# Altium PCB IOT_nRF24L01_RELAY_TEST.PcbDoc
Units mil, origin at the board's own origin, x right, y up, seen from the top; angles counter-clockwise.
Board outline 3110.24 x 1870.08 mil, 2 copper layers (Top Layer, Bottom Layer); 25 components, 28 nets, 94 pads, 6 vias.
Unrouted connection lines stored in the file: 1.
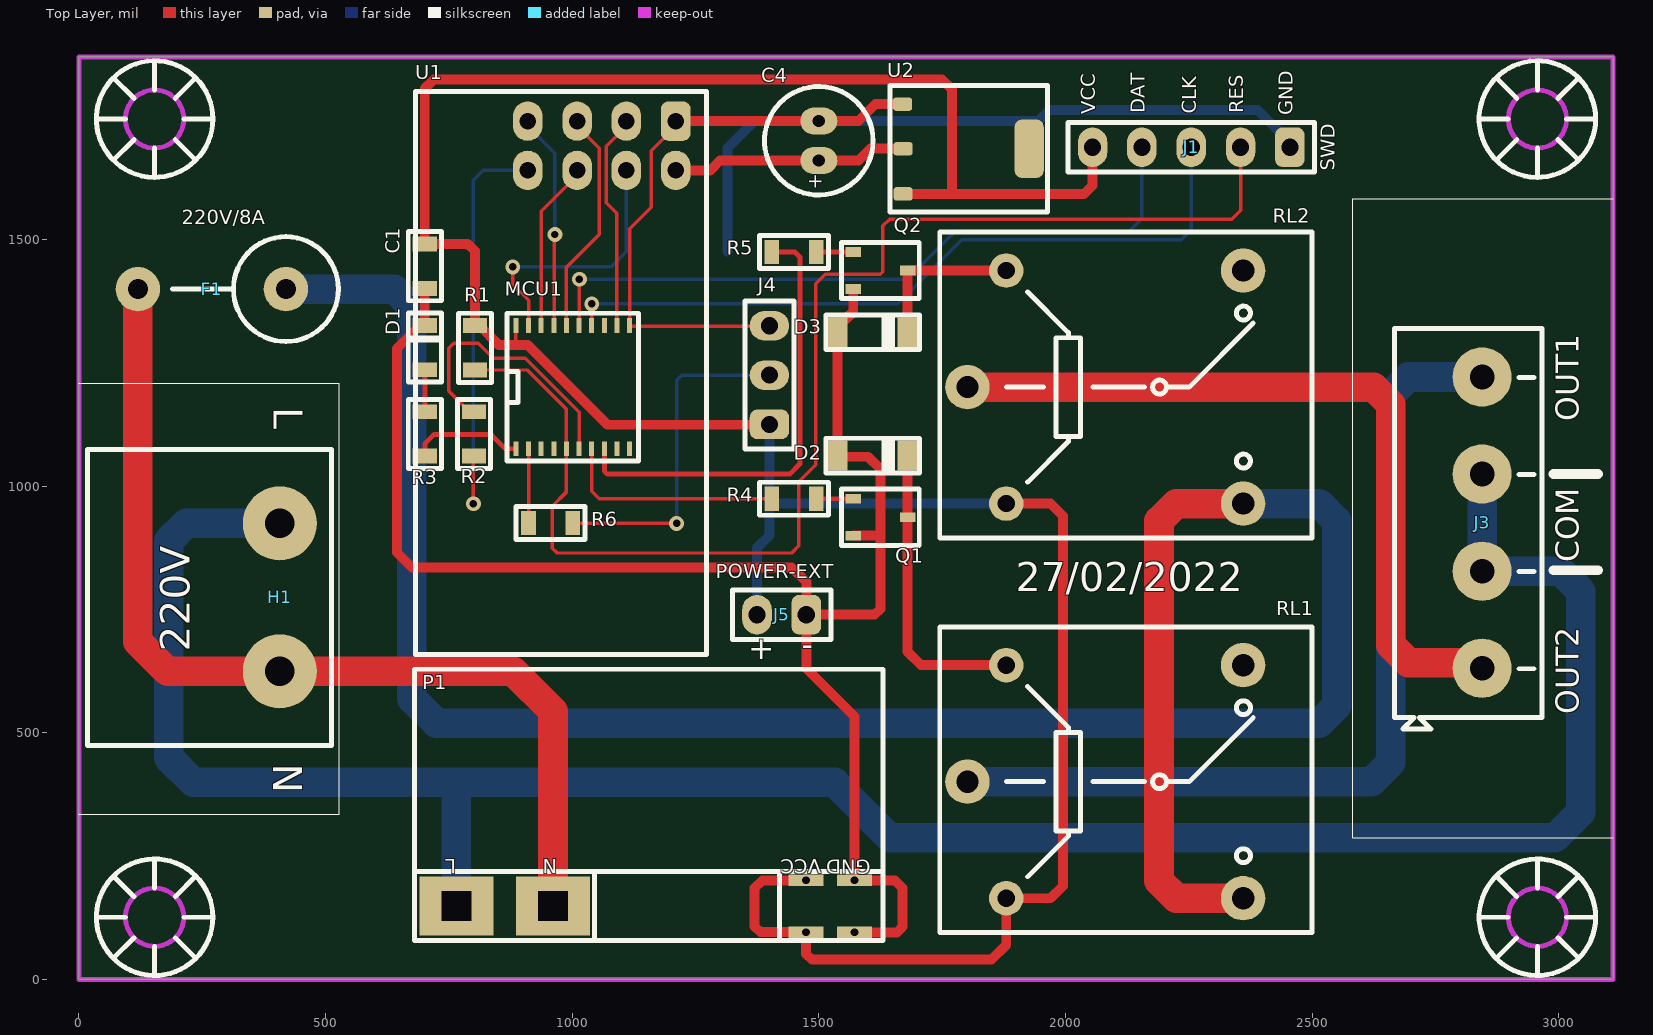
[diagram p0: Top Layer view]
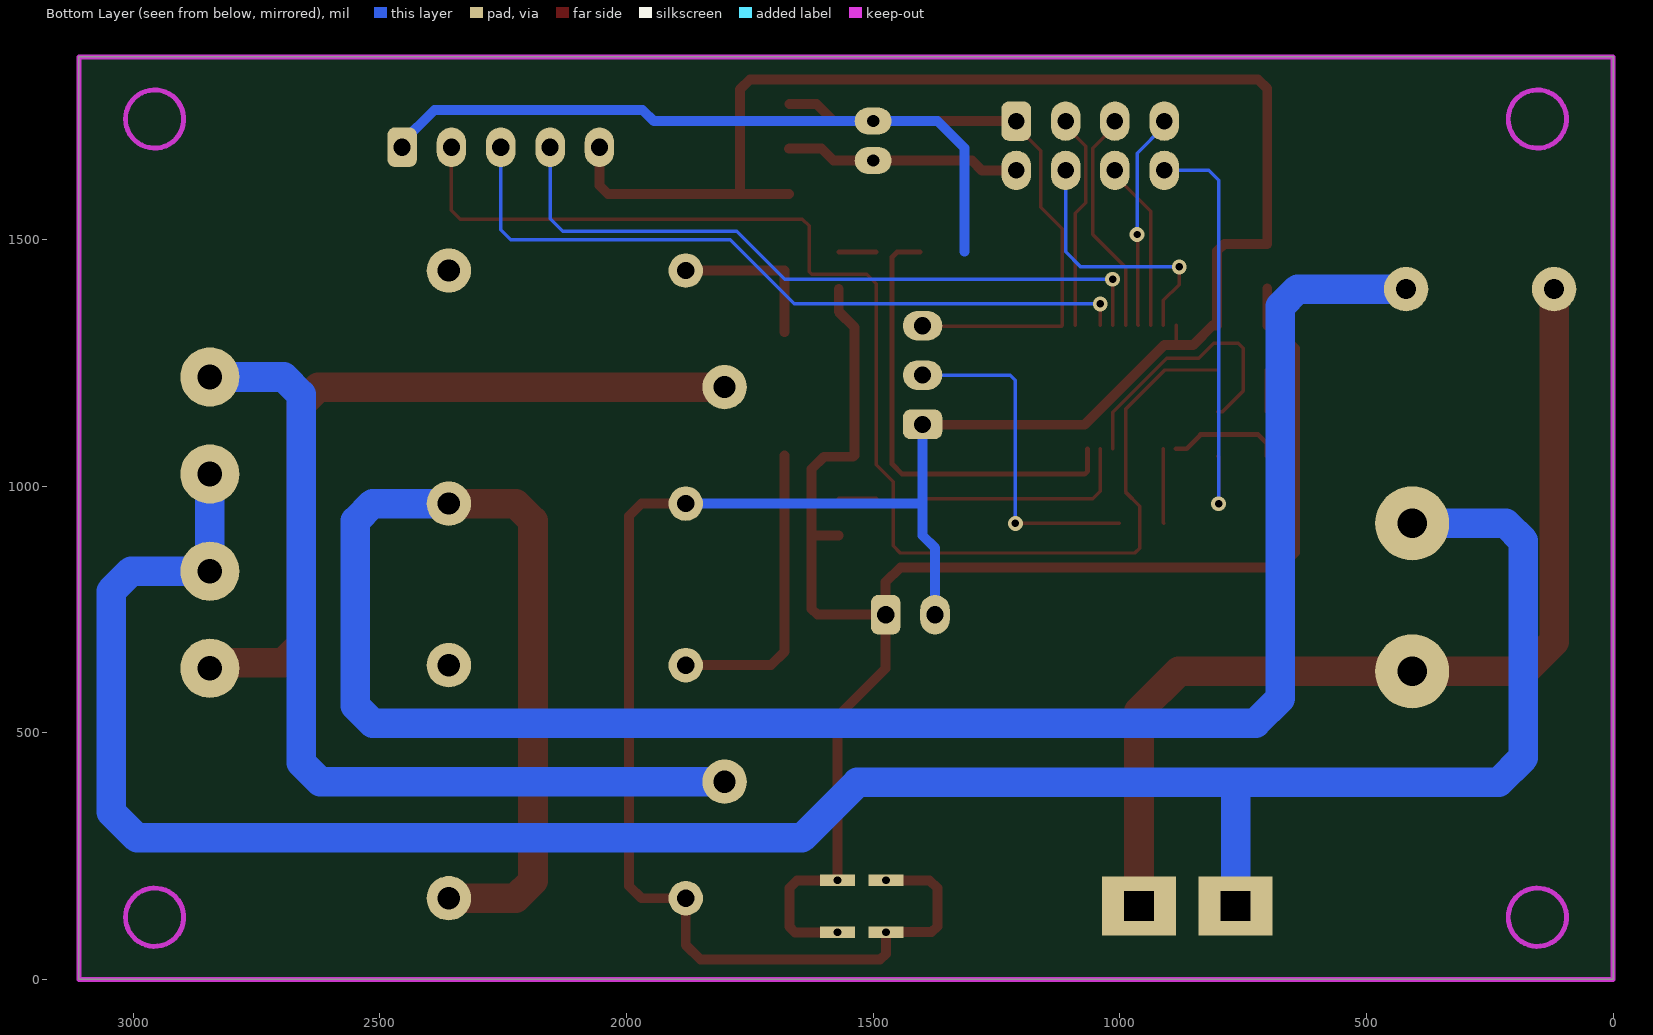
[diagram p1: Bottom Layer view, seen from below]

## Layer stack, top to bottom
Top Solder: solder mask 0.4, Solder Resist, Dk 3.5
Top Layer: signal copper 1.4
Dielectric 1: dielectric 12.6, FR-4, Dk 4.8
Bottom Layer: signal copper 1.4
Bottom Solder: solder mask 0.4, Solder Resist, Dk 3.5

## Board outline
0.03,0 3110.26,0 3110.26,1870.08 0.03,1870.08

## Design rules (kind name [scope] priority, off if disabled: settings)
Clearance [All] p1: gap=7 ignorepadtopadclearanceinfootprint=FALSE
PolygonConnect [All] p1: connectstyle=Relief reliefconductorwidth=10 reliefentries=4 polygonreliefangle="90 Angle" airgapwidth=10
RoutingVias [All] p1: holewidth=30 width=60 viastyle="Through Hole" minholewidth=15 minwidth=30 maxholewidth=50 maxwidth=100
SolderMaskExpansion [All] p1: expansion=4 istentingtop=FALSE
Width [All] p1: maxlimit=60 minlimit=7 preferedwidth=10
30 further rules are at their usual default settings.

## Components (designator, comment, footprint, x,y, rotation, side; value= is the part's Value field where it differs from the comment)
C1 "104" C0805 701.25,1445.72 r90 top
C4 "10uF" CAP_RAD_D05x11 1500,1700 r90 top
D1 "LED0805" L0805RED 701.25,1280.72 r90 top
D2 "1N4148" SOD-80 1609.13,1061.94 r0 top
D3 "1N4148" SOD-80 1609.13,1311.94 r0 top
F1 "220V/8A" FUSE_Bel_MJS_V 419.76,1399.34 r180 top
H1 "220V" "TERMINAL-BLOCK-7.62MM -02PIN" 407.26,924.34 r270 top
J1 "SWD" HEADER-MALE-05PINS-2.54MM 2454.99,1686.94 r180 top
J3 "OUTPUT" DG306-5.0-04P-12-00AH 2844.76,925.91 r90 top
J4 "HEADER-MALE-2.54MM" HEADER-MALE-03PINS-2.54MM 1400,1125 r90 top
J5 "POWER-EXT" HEADER-MALE-02PINS-2.54MM 1424.76,739.34 r180 top
MCU1 "Mini58FDE" TSSOP20_0.65_4.4 1001.25,1200.72 r90 top
P1 "MODULE_5V_700mA" MODULE_5V_700mA 765.25,148.72 r180 top
Q1 "2N3904" SOT23-3 1624.88,936.94 r270 top
Q2 "2N3904" SOT23-3 1624.88,1436.94 r270 top
R1 "10k" R0805 802.76,1280.33 r90 top
R2 "10k" R0805 801.25,1105.72 r90 top
R3 "10k" R0805 701.25,1105.72 r270 top
R4 "10k" R0805 1449.76,974.34 r0 top
R5 "10k" R0805 1449.76,1474.34 r0 top
R6 "10k" R0805 956.32,925.01 r180 top
RL1 "Relay-SONGLE-SRD-05VDC" RELAY-SONGLE-SRD-05VDC_BLUE 2080.61,400.72 r180 top
RL2 "Relay-SONGLE-SRD-05VDC" RELAY-SONGLE-SRD-05VDC_BLUE 2080.61,1200.72 r180 top
U1 "nRF24L01" nRF24L01 1060,1690 r90 top
U2 "3V3" SOT223-3 1806.57,1683.79 r270 top

## Footprints (in the part's own frame and the unit in brackets; to place one, negate y for a bottom-side part, rotate by r counter-clockwise, add the part's x,y. Pads: shape width x height; smd on the part's side, far side on the other; paste and mask are expansions set on the pad)
C0805 [mil]
  rect 30x48.82 smd: 1(-45,0) 2(45,0)
  silkscreen extent -70,-33 70,33, body extent -39,-24 39,24, height 39
CAP_RAD_D05x11 [mil]
  oval 55x75 hole 25: 1(-40,0) 2(40,0)
  silkscreen extent -110,-110 110,110, body extent -108,-108 108,108, height 492
DG306-5.0-04P-12-00AH [mil]
  round 120 hole 50: 1(-295.28,0) 2(-98.43,0) 3(98.43,0) 4(295.28,0)
  silkscreen extent -418,-121 394,178, body extent -417,-123 394,176, height 394
FUSE_Bel_MJS_V [mil]
  round 90 hole 40: 1(0,0) 2(300,0)
  silkscreen extent -106,-106 230,106, body extent -110,-110 316,110, height 795
HEADER-MALE-02PINS-2.54MM [mil]
  rrect50% 60x80 hole 35: 1(-50,0)
  oval 60x80 hole 35: 2(50,0)
  silkscreen extent -100,-50 100,50, body extent -100,-50 100,50, height 350
HEADER-MALE-03PINS-2.54MM [mil]
  rrect50% 60x80 hole 35: 1(0,0)
  oval 60x80 hole 35: 2(100,0) 3(200,0)
  silkscreen extent -50,-50 250,50, body extent -50,-50 250,50, height 350
HEADER-MALE-05PINS-2.54MM [mil]
  rrect50% 60x80 hole 35: 1(0,0)
  oval 60x80 hole 35: 2(100,0) 3(200,0) 4(300,0) 5(400,0)
  silkscreen extent -50,-50 450,50, body extent -50,-50 450,50, height 350
L0805RED [mil]
  rect 30x48.82 smd: 1(-45,0) 2(45,0)
  silkscreen extent -70,-35 70,35, body extent -39,-25 39,25, height 43
MODULE_5V_700mA [mil]
  rect 150x120 hole 60 square: 1(0,0) 2(-196,0)
  rect 70.87x23.62 hole 15.75: 3(-709,-52) 3(-709,53) 4(-807,-52) 4(-807,53)
  silkscreen extent -865,-480 85,70
nRF24L01 [mil]
  rrect50% 80x60 hole 33.46: 1(50,-150)
  oval 80x60 hole 33.46: 2(-50,-150) 3(50,-50) 4(-50,-50) 5(50,50) 6(-50,50) 7(50,150) 8(-50,150)
  silkscreen extent -1031,-213 110,378, body extent -1031,-213 110,378, height 434
R0805 [mil]
  rect 30x48.82 smd: 1(-45,0) 2(45,0)
  silkscreen extent -70,-33 70,33, body extent -39,-25 40,25, height 18
RELAY-SONGLE-SRD-05VDC_BLUE [mil]
  round 70 hole 35: 1(200.61,-236.22) 3(200.61,236.22)
  round 90 hole 45: 2(279.35,0) 4(-279.7,236.22) 5(-279.7,-236.22)
  silkscreen extent -419,-314 335,306, body extent -418,-309 338,305, height 626
SOD-80 [mil]
  rect 40x60 smd: 1(-70.87,0) 2(70.87,0)
  silkscreen extent -95,-35 95,37, body extent -69,-30 69,29, height 58
SOT23-3 [mm]
  rect 0.5x0.8 smd: 1(-0.95,-1.4) 2(0.95,-1.4) 3(0,1.4)
  silkscreen extent -1.45,-2 1.45,2, body extent -1.45,-1.4 1.45,1.4, height 1.3
SOT223-3 [mm]
  rrect50% 0.7x1 smd: 1(-2.3,-3.475) 2(0,-3.45) 3(2.325,-3.45)
  rrect50% 3x1.5 smd: 4(0,3.048)
  silkscreen extent -3.25,-4.11 3.25,3.99, body extent -3.25,-3.5 3.25,3.5, height 1.7
"TERMINAL-BLOCK-7.62MM -02PIN" [mil]
  round 150 hole 60: 1(0,0) 2(300,0)
  silkscreen extent -150,-390 450,105, body extent -150,-386 450,106, height 409
TSSOP20_0.65_4.4 [mil]
  rect 30x10 smd: 1(-125,115.16) 2(-125,89.57) 3(-125,63.98) 4(-125,38.39) 5(-125,12.8) 6(-125,-12.8) 7(-125,-38.39) 8(-125,-63.98) 9(-125,-89.57) 10(-125,-115.16) 11(125,-115.16) 12(125,-89.57) 13(125,-63.98) 14(125,-38.39) 15(125,-12.8) 16(125,12.8) 17(125,38.39) 18(125,63.98) 19(125,89.57) 20(125,115.16)
  silkscreen extent -150,-133 150,133, body extent -124,-128 124,128, height 43

## Part data
C1: library part Capacitors(SMD)
C4: library part Capacitor(Radian)
D2 D3: library part Diode-1N4148, "The fast switching diode"
F1: library part Fuse-Vertical
H1: library part TERMINAL-BLOCK-7.62MM-02PIN
J1: library part HEADER-MALE-05PINS-2.54MM
J3: library part DG306-5.0-04P-12-00AH
J4: library part HEADER-MALE-03PINS-2.54MM
J5: library part HEADER-MALE-02PINS-2.54MM
MCU1: library part Mcu-Mini58FDE, "Novoton 4Kb-RAM 32Kb-Flash"
P1: library part SMPS_5V_700mA
Q1 Q2: library part "Transistor-2N3904 (SOT-23)"
R1 R2 R3 R4 R5 R6: library part Resistors-SMD
U1: library part Module-nRF24L01
U2: library part Ic-AMS1117(SOT-223)

## Via types
v1: diameter 30, hole 15, Top Layer to Bottom Layer, tented both sides, 6 vias

## Nets (pads, with @x,y where several pads share a name; then routed paths per layer and width w, separated by ;. In a path a pad name is that pad's centre, name@x,y a point inside that pad or via, vN(x,y) a via of type N, cw(c..) or ccw(c..) an arc to the next point about the centre after c; other vN are vias at no path point)
CE: MCU1.12 U1.3 | length 440.3
  Top Layer w7: MCU1.12 1090.82,1552.88 1069,1574.7 1069,1689 1110,1730 U1.3
CLK: J1.3 MCU1.14 | length 1488.5
  Top Layer w7: MCU1.14 1039.64,1369.22 v1(1039.76,1369.34)
  Bottom Layer w7: v1(1039.76,1369.34) 1660,1369.34 1790,1499.34 2234.76,1499.34 2254.99,1519.57 J1.3
CSN: MCU1.19 U1.4 | length 539.8
  Top Layer w7: v1(879.76,1444.34) 879.76,1408.49 911.69,1376.56 MCU1.19
  Bottom Layer w7: v1(879.76,1444.34) 880.26,1444.84 1079.84,1444.84 1110,1475 U1.4
DAT: J1.4 MCU1.15 | length 1430.2
  Top Layer w7: MCU1.15 1014.05,1354.74 1013.94,1354.85 1013.94,1418.52 v1(1014.76,1419.34)
  Bottom Layer w7: v1(1014.76,1419.34) 1679.34,1419.34 1776.34,1516.34 2129.76,1516.34 2154.99,1541.57 J1.4
GND: C1.1 C4.2 D1.2 D2.1 D3.1 J1.1 J4.3 J5.1 MCU1.11 P1.4 Q1.2 Q2.2 U1.1 U2.1 | length 5922.7
  Top Layer w7: U1.1 1210,1730 1160,1680 1160,1565 1116.41,1521.41 MCU1.11 1117.79,1324.34 1399.34,1324.34 J4.3
  Top Layer w20: C1.1 D1.2 691.84,1325.72 645,1278.87 645,865 675,835 1445,835 1474.76,805.24 J5.1 ; U1.1 C4.2 1580.66,1740 1615,1774.34 U2.1 ; Q1.2 1624.56,899.53 1625,899.09 ; Q2.2 1569.76,1353.43 1538.26,1321.94 D3.1 D2.1 1540.86,1059.34 1600,1059.34 1625,1034.34 1625,899.09 ; P1.4@1572.25,95.72 1572.97,95 1658.28,95 1670,106.72 1670,185 1654.28,200.72 1572.25,200.72 1572.25,532.75 1474.76,630.24 J5.1 ; J5.1 1613.28,739.34 1625,751.05 1625,899.09
  Bottom Layer w20: 1315,1475 1315,1685 1370,1740 C4.2 1945,1740 1967.5,1762.5 2389.43,1762.5 2454.99,1696.94 J1.1
IRQ: R2.1 U1.8 | length 871
  Top Layer w7: v1(799.76,964.34) 799.76,1059.22 R2.1
  Bottom Layer w7: v1(799.76,964.34) 799.76,1619.76 819.99,1639.99 U1.8
MISO: MCU1.17 U1.7 | length 437.9
  Top Layer w7: MCU1.17 963.93,1326.78 963.93,1508.93 v1(965,1510)
  Bottom Layer w7: U1.7 910.01,1729.99 965,1675 v1(965,1510)
MOSI: MCU1.18 U1.6 | length 344.4
  Top Layer w7: MCU1.18 937.28,1557.28 1010,1630 U1.6
NetC3_2: C4.1 U1.2 U2.2 | length 484.6
  Top Layer w20: U1.2@1204.76,1629.34 U1.2@1210,1629.34 ; U1.2 1280,1640 1300,1660 C4.1 1580.66,1660 1605,1684.34 1670.19,1684.34 U2.2
NetD1_1: D1.1 R3.1 | length 85
  Top Layer w10: R3.1 D1.1
NetD2_2: D2.2 Q1.3 RL1.1 | length 609.1
  Top Layer w20: D2.2 Q1.3 1679.99,664.1 1707.16,636.94 RL1.1
NetD3_2: D3.2 Q2.3 RL2.1 | length 325
  Top Layer w20: D3.2 Q2.3 RL2.1
NetF1_1: F1.1 RL1.4 RL2.4 | length 4653.5
  Top Layer w60: RL1.4 2224.9,164.49 2189.76,199.64 2189.76,929.35 2224.9,964.49 RL2.4
  Bottom Layer w60: F1.1 639.61,1399.34 674.76,1364.19 674.76,569.34 724.76,519.34 2514.61,519.34 2549.76,554.48 2549.76,929.34 2514.6,964.49 RL2.4
NetF1_2: F1.2 H1.2 P1.2 | length 2009.7
  Top Layer w60: F1.2 119.76,684.48 179.9,624.34 H1.2 880.66,624.34 961.25,543.75 P1.2
NetH1_1: H1.1 J3.2 J3.3 P1.1 | length 4742.9
  Bottom Layer w60: H1.1 217.4,924.34 182.26,889.19 182.26,449.34 232.26,399.34 667.25,399.34 765,399.34 ; P1.1 765.25,399.08 765,399.34 ; J3.3 J3.2 3004.11,827.49 3044.76,786.84 3044.76,339.34 2992.26,286.84 1644.76,286.84 1532.26,399.34 765,399.34
NetJ3_1: J3.1 RL2.2 | length 1565.7
  Top Layer w60: RL2.2 2624.61,1200.72 2659.76,1165.57 2659.76,677.26 2694.9,642.12 2833.28,642.12 J3.1
NetJ3_4: J3.4 RL1.2 | length 1820.8
  Bottom Layer w60: RL1.2 2621.14,400.72 2659.76,439.34 2659.76,1186.04 2694.9,1221.19 J3.4
NetJ4_2: J4.2 R6.1 | length 693.1
  Top Layer w7: R6.1 v1@1211.76,925.01
  Bottom Layer w7: v1(1211.76,924.34) 1211.76,1214.34 1221.76,1224.34 1399.34,1224.34 J4.2
NetMCU1_1: MCU1.1 R3.2 | length 229.5
  Top Layer w10: R3.2 701.25,1085.83 719.76,1104.34 836.12,1104.34 864.74,1075.72 MCU1.1
NetMCU1_2: MCU1.2 R6.2 | length 150.9
  Top Layer w7: R6.2 911.69,925.37 MCU1.2
NetMCU1_6: MCU1.6 R2.2 | length 555.9
  Top Layer w7: R2.2 791.84,1150.72 749.76,1192.8 749.76,1279.34 759.76,1289.34 809.76,1289.34 839.76,1259.34 904.76,1259.34 1014.05,1150.05 MCU1.6
NetMCU1_7: MCU1.7 R4.1 | length 457.6
  Top Layer w7: MCU1.7 1039.64,989.46 1054.76,974.34 R4.1
NetMCU1_8: MCU1.8 R5.1 | length 933.8
  Top Layer w10: MCU1.8 1065.23,1030.2 1071.09,1024.34 1441.34,1024.34 1462,1045 1462,1464 1451.66,1474.34 R5.1
NetQ1_1: Q1.1 R4.2 | length 75
  Top Layer w10: R4.2 Q1.1
NetQ2_1: Q2.1 R5.2 | length 75
  Top Layer w10: R5.2 Q2.1
RESET: J1.2 MCU1.5 R1.1 | length 2671.9
  Top Layer w7: R1.1 908.77,1235.33 988.46,1155.64 MCU1.5 988.46,988.04 959.76,959.34 959.76,874.34 969.76,864.34 1444.76,864.34 1459.76,879.34 1459.76,1009 1494,1043.24 1494,1410 1513.34,1429.34 1624.76,1429.34 1629.76,1434.34 1629.76,1527.34 1643.76,1541.34 2336.76,1541.34 2354.99,1559.57 J1.2
SCK: MCU1.16 U1.5 | length 460.5
  Top Layer w7: MCU1.16 988.46,1443.46 1055,1510 1055,1685 1010,1730 U1.5
VCC: C1.2 J1.5 J4.1 J5.2 MCU1.20 P1.3 R1.2 RL1.3 RL2.3 U2.3 | length 5815.1
  Top Layer w7: 886.1,1287.68 MCU1.20
  Top Layer w20: J5.2@1374.76,749.34 J5.2 J5.2@1376.25,737.84 ; J4.1 1399.34,1124.34 1071.88,1124.34 909.88,1286.34 851.16,1286.34 812.17,1325.33 R1.2 802.76,1476.33 788.38,1490.72 C1.2 701.25,1805.83 719.76,1824.34 1749.76,1824.34 1769.76,1804.34 1769.76,1592.25 ; P1.3@1474.25,200.72 1385.72,200.72 1370,185 1370,107.43 1381.72,95.72 1474.25,95.72 1474.25,51.72 1485.97,40 1850,40 1879.99,69.99 RL1.3 1969.92,164.49 1994.76,189.34 1994.76,939.34 1969.6,964.49 RL2.3 ; U2.3 1769.76,1592.25 ; J1.5 2054.99,1609.57 2037.67,1592.25 1769.76,1592.25
  Bottom Layer w20: J5.2@1374.76,749.34 J5.2 1375,739.58 1375,875 1400,900 1400,964.49 ; J4.1 1400,964.49 ; RL2.3 1400,964.49
pads on no net: MCU1.3 MCU1.4 MCU1.9 MCU1.10 MCU1.13 RL1.5 RL2.5 U2.4

## Keep-outs
Keep-Out Layer:
  circle w10: c2956.72,1744.1 r59.06
  circle w10: c153.57,125.99 r59.06
  circle w10: c2956.72,125.99 r59.06
  circle w10: c153.57,1744.1 r59.06
  lines w10: 0.03,334.65 0.03,935.04 ; 0.03,0 3110.26,0 3110.26,1870.08 0.03,1870.08 0.03,0

## Silkscreen, mask and mechanical layers (free items; w line width, h text height)
Top Overlay:
  circle w10: c153.57,1744.1 r118.11
  circle w10: c2956.72,1744.1 r118.11
  circle w10: c2956.72,125.99 r118.11
  circle w10: c153.57,125.99 r118.11
  lines w0.5: 0.03,334.65 527.58,334.65 527.58,1208.66 0.03,1208.66 ; 3110.26,287.4 2582.7,287.4 2582.7,935.04 2582.7,1582.68 3110.26,1582.68
  lines w10: 35.46,125.99 94.51,125.99 ; 35.46,1744.1 94.51,1744.1 ; 70.05,42.47 111.81,84.23 ; 70.05,209.5 111.81,167.75 ; 70.05,1660.58 111.81,1702.34 ; 70.05,1827.61 111.81,1785.86 ; 153.57,7.88 153.57,66.93 ; 153.57,185.04 153.57,244.1 ; 153.57,1625.99 153.57,1685.04 ; 153.57,1803.15 153.57,1862.21 ; 195.33,84.23 237.08,42.47 ; 195.33,167.75 237.08,209.5 ; 195.33,1702.34 237.08,1660.58 ; 195.33,1785.86 237.08,1827.61 ; 212.62,125.99 271.68,125.99 ; 212.62,1744.1 271.68,1744.1 ; 2838.61,125.99 2897.66,125.99 ; 2838.61,1744.1 2897.66,1744.1 ; 2873.2,42.47 2914.96,84.23 ; 2873.2,209.5 2914.96,167.75 ; 2873.2,1660.58 2914.96,1702.34 ; 2873.2,1827.61 2914.96,1785.86 ; 2956.72,7.88 2956.72,66.93 ; 2956.72,185.04 2956.72,244.1 ; 2956.72,1625.99 2956.72,1685.04 ; 2956.72,1803.15 2956.72,1862.21 ; 2998.48,84.23 3040.23,42.47 ; 2998.48,167.75 3040.23,209.5 ; 2998.48,1702.34 3040.23,1660.58 ; 2998.48,1785.86 3040.23,1827.61 ; 3015.77,125.99 3074.83,125.99 ; 3015.77,1744.1 3074.83,1744.1
  lines w20: 2989.76,829.34 3079.76,829.34 ; 2989.76,1024.34 3079.76,1024.34
  text "DAT" at 2170.74,1755.54 h50 r90
  text "RES" at 2370.74,1756.16 h50 r90
  text "CLK" at 2275.77,1754.55 h50 r90
  text "VCC" at 2070.77,1753.35 h50 r90
  text "GND" at 2470.74,1751.89 h50 r90
  text "L" at 375.48,1159.41 h100 r270
  text "OUT1" at 3055.36,1131.31 h80 r90
  text "COM" at 3055.36,845.19 h80 r90
  text "27/02/2022" at 1899.19,767.38 h100
  text "-" at 1465.1,640.73 h80
  text "+" at 1356.85,634.1 h80
  text "OUT2" at 3055.36,537.28 h80 r90
  text "N" at 375.25,437.27 h100 r270

## Text inside footprints (layer, text, board x,y; h text height)
C4: Top Overlay "+" at 1515.75,1600.82 h50 r90
P1: Top Overlay "N" at 970.25,253.72 h50 r180; Top Overlay "L" at 765.25,253.72 h50 r180; Top Overlay "GND" at 1605.25,253.11 h50 r180; Top Overlay "VCC" at 1505.25,253.16 h50 r180